# KiCad board data-center-ddr5-tester.kicad_pcb
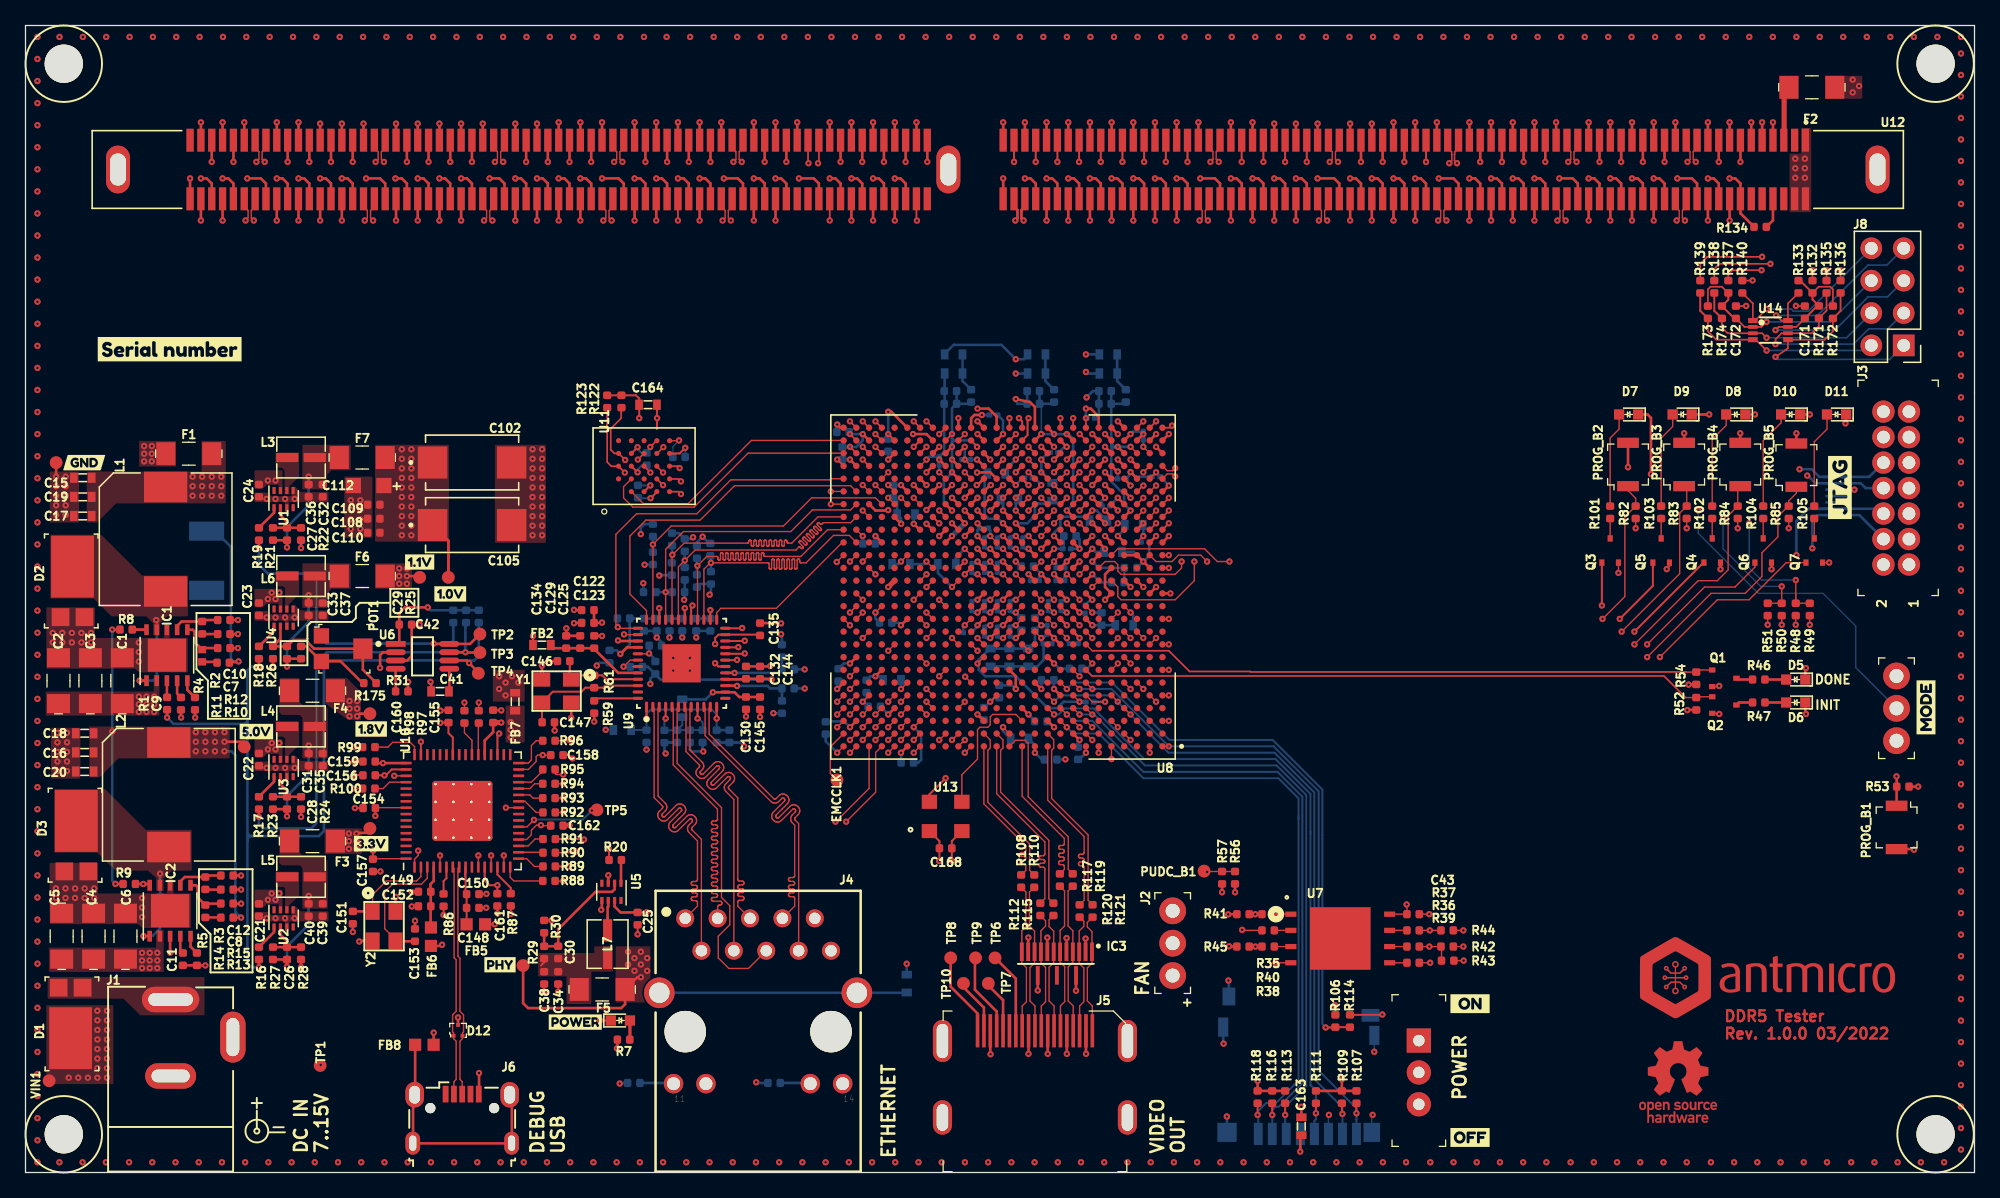
[diagram p0: board, top side]
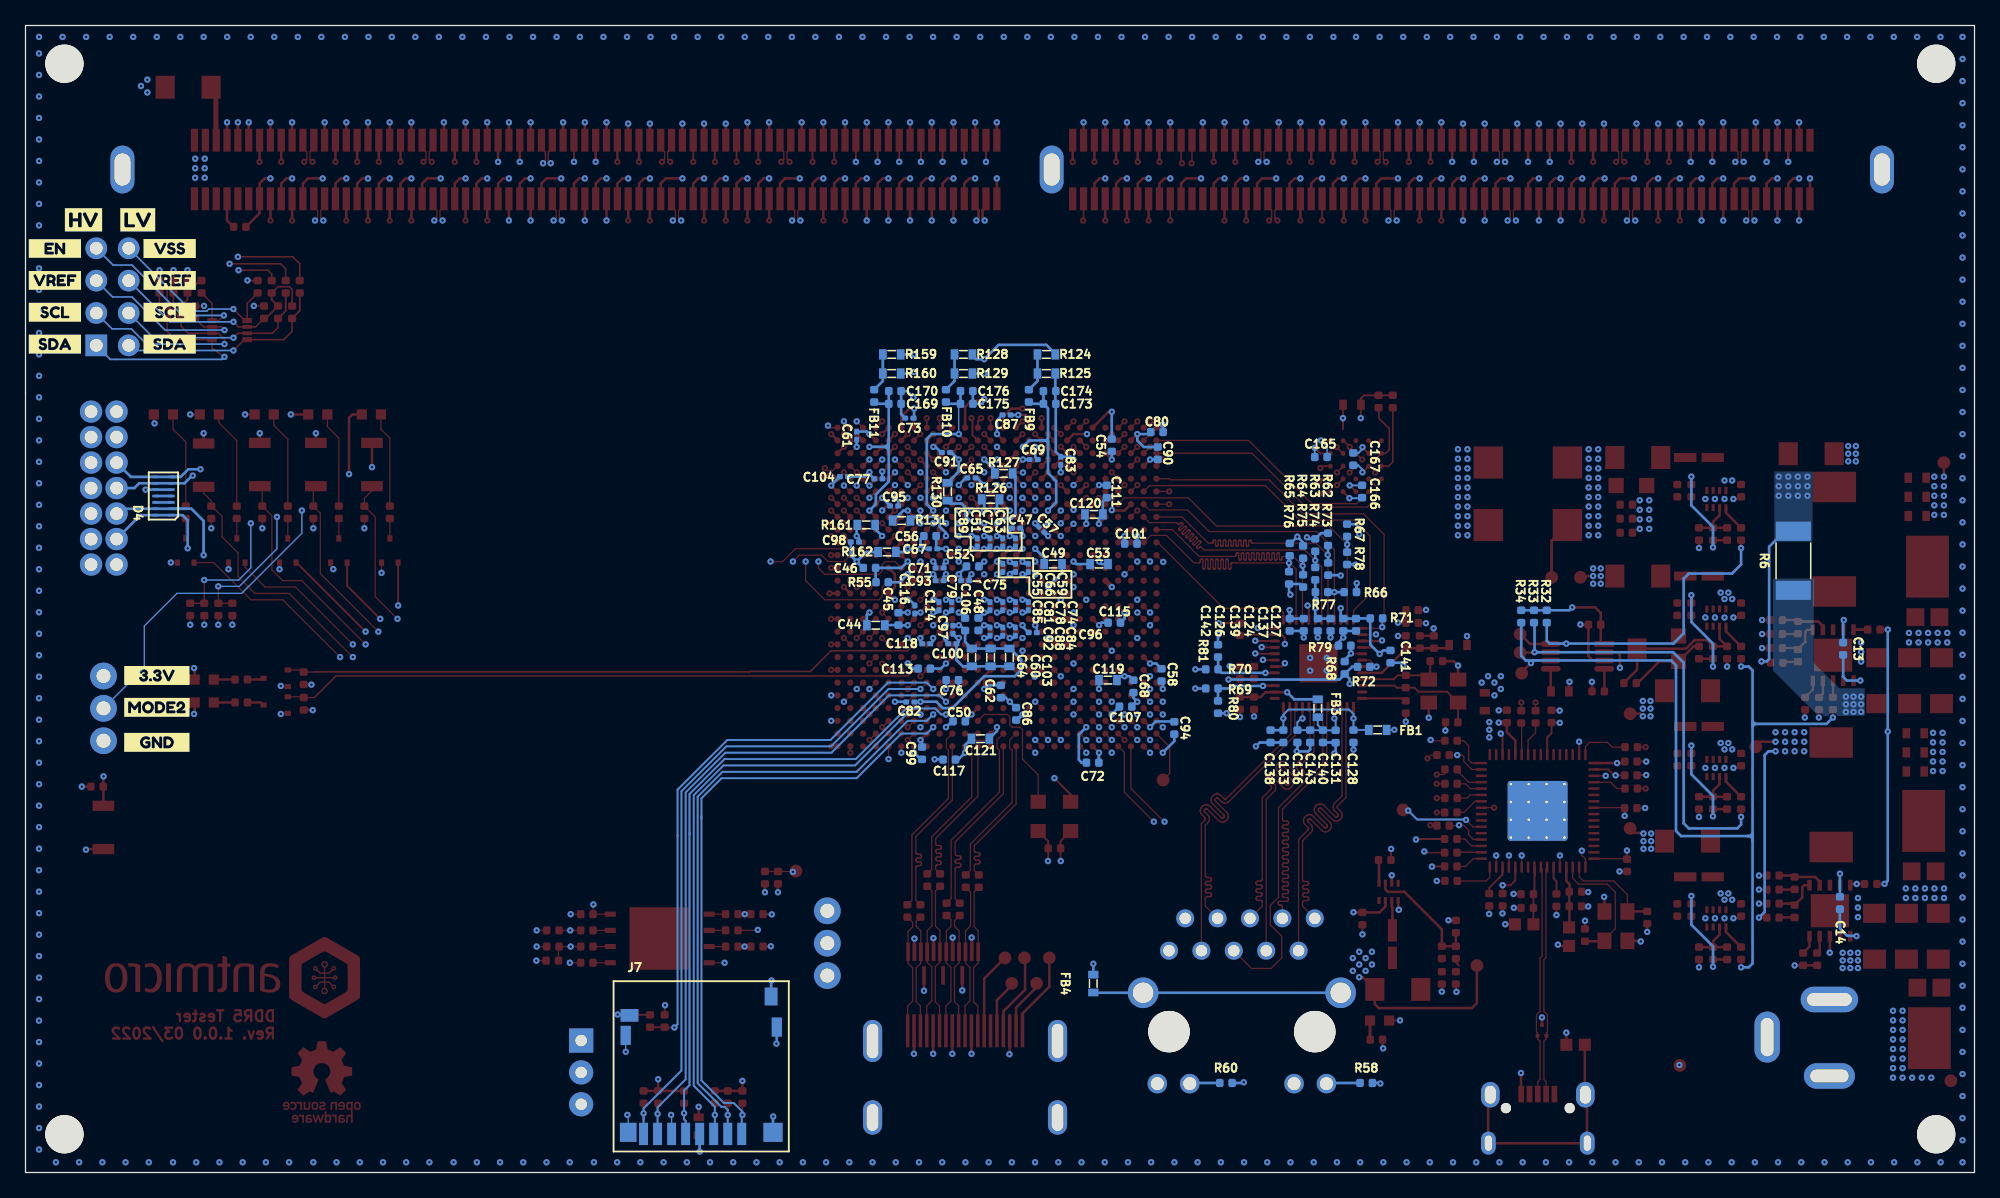
[diagram p1: board, bottom side, seen from below]

Outline 152.8 x 90 mm; copper layers: Top, In1.Cu_GND (plane), In2.Cu, In3.Cu_3V3_1V1_1V8FT (plane), In4.Cu_GND (plane), In5.Cu, In6.Cu_GND (plane), In7.Cu, In8.Cu_VIN_5VINT_1V8_1V0 (plane), In9.Cu, In10.Cu_GND_1V2 (plane), Bottom. Coordinates in mm from the lower left corner of the outline.
Outline path: 0,90 152.8,90 152.8,0 0,0 0,90

## Placement (name value [footprint] x y rotation side)
1V0  TP_SMD1MM  [Testpoint_smd_1mm]  33.2 46.7 90 top
1V1  TP_SMD1MM  [Testpoint_smd_1mm]  30.95 46.7 90 top
1V8  TP_SMD1MM  [Testpoint_smd_1mm]  27.05 36 90 top
3V3  TP_SMD1MM  [Testpoint_smd_1mm]  27 26.95 0 top
5V0  TP_SMD1MM  [Testpoint_smd_1mm]  17.2 33.4 90 top
C1  C_47u_16V_1206  [1206-cap]  7.59 38.59 90 top
C2  C_47u_16V_1206  [1206-cap]  2.59 38.59 90 top
C3  C_47u_16V_1206  [1206-cap]  5.09 38.59 90 top
C4  C_47u_16V_1206  [1206-cap]  5.34 18.54 90 top
C5  C_47u_16V_1206  [1206-cap]  2.84 18.54 90 top
C6  C_47u_16V_1206  [1206-cap]  7.84 18.54 90 top
C7  C_4n7_0402  [0402-cap]  15.55 42.25 0 top
C8  C_4n7_0402  [0402-cap]  15.8 22.2 0 top
C9  C_10n_0402  [0402-cap]  12.19 36.79 270 top
C10  C_47p_0402  [0402-cap]  15.55 43.35 0 top
C11  C_10n_0402  [0402-cap]  12.34 16.74 270 top
C12  C_47p_0402  [0402-cap]  15.8 23.3 0 top
C13  C_100n_0402_6V3  [0402-cap]  10.3 41.1 270 bottom
C14  C_100n_0402_6V3  [0402-cap]  10.55 21.15 270 bottom
C15  C_47u_0603  [0603-cap]  4.49 54.51 180 top
C16  C_47u_0603  [0603-cap]  4.64 32.96 180 top
C17  C_47u_0603  [0603-cap]  4.49 51.51 180 top
C18  C_47u_0603  [0603-cap]  4.64 34.46 180 top
C19  C_47u_0603  [0603-cap]  4.49 53.01 180 top
C20  C_47u_0603  [0603-cap]  4.64 31.46 180 top
C21  C_10u_0402  [0402-cap]  18.3 20.6 270 top
C22  C_10u_0402  [0402-cap]  18.3 32.4 270 top
C23  C_10u_0402  [0402-cap]  18.3 44.2 270 top
C24  C_10u_0402  [0402-cap]  18.3 53.5 270 top
C25  C_10u_0402  [0402-cap]  47.99 19.92 270 top
C26  C_120p_0402  [0402-res]  20.5 17.2 90 top
C27  C_120p_0402  [0402-res]  20.5 50.1 90 top
C28  C_120p_0402  [0402-res]  20.5 29 90 top
C29  C_120p_0402  [0402-res]  20.5 40.8 90 top
C30  C_120p_0402  [0402-res]  41.76 17.27 90 top
C31  C_10u_0402  [0402-cap]  22.2 32.4 270 top
C32  C_10u_0402  [0402-cap]  23.3 53.5 270 top
C33  C_10u_0402  [0402-cap]  22.2 44.2 270 top
C34  C_10u_0402  [0402-cap]  41.76 15.27 270 top
C35  C_10u_0402  [0402-cap]  23.3 32.4 270 top
C36  C_10u_0402  [0402-cap]  22.2 53.5 270 top
C37  C_10u_0402  [0402-cap]  23.3 44.2 270 top
C38  C_10u_0402  [0402-cap]  40.66 15.27 270 top
C39  C_10u_0402  [0402-cap]  23.3 20.6 270 top
C40  C_10u_0402  [0402-cap]  22.2 20.6 270 top
C41  C_10n_0603  [0603-cap]  32.5 37.75 0 top
C42  C_100n_0402_6V3  [0402-cap]  29.79 42.99 0 top
C43  C_100n_0402_6V3  [0402-cap]  108.79 20.27 0 top
C44  C_47u_0603  [0603-cap]  86.14 42.94 0 bottom
C45  C_470n_0402  [0402-cap]  84.36 43.44 90 bottom
C46  C_470n_0402  [0402-cap]  86.64 47.44 0 bottom
C47  C_100n_0201  [0201-res]  75.14 50.56 0 bottom
C48  C_4u7_0402  [0402-cap]  78.09 43.02 270 bottom
C49  C_47u_0603  [0603-cap]  72.24 47.74 180 bottom
C50  C_4u7_0402  [0402-cap]  79.6 35.4 0 bottom
C51  C_100n_0201  [0201-res]  77.19 49.44 90 bottom
C52  C_4u7_0402  [0402-cap]  78.54 47.56 180 bottom
C53  C_47u_0603  [0603-cap]  68.64 47.74 180 bottom
C54  C_4u7_0402  [0402-cap]  67.64 57.06 90 bottom
C55  C_100n_0201  [0201-res]  75.19 47.44 90 bottom
C56  C_4u7_0402  [0402-cap]  81.89 49.94 0 bottom
C57  C_100n_0201  [0201-res]  73.15 50.45 225 bottom
C58  C_4u7_0402  [0402-cap]  63.74 39.04 90 bottom
C59  C_100n_0201  [0201-res]  74.19 47.44 270 bottom
C60  C_47u_0603  [0603-cap]  77.14 40.41 270 bottom
C61  C_100n_0201  [0201-res]  87.64 57.81 90 bottom
C62  C_4u7_0402  [0402-cap]  76.34 37.74 270 bottom
C63  C_100n_0201  [0201-res]  75.19 49.44 90 bottom
C64  C_47u_0603  [0603-cap]  78.61 40.41 270 bottom
C65  C_100n_0201  [0201-res]  78.64 54.5 180 bottom
C66  C_100n_0201  [0201-res]  76.19 47.44 270 bottom
C67  C_100n_0201  [0201-res]  81.64 48.94 0 bottom
C68  C_4u7_0402  [0402-cap]  65.94 38.14 270 bottom
C69  C_100n_0201  [0201-res]  73.76 55.94 180 bottom
C70  C_100n_0201  [0201-res]  76.19 49.44 270 bottom
C71  C_100n_0201  [0201-res]  81.14 47.44 180 bottom
C72  C_4u7_0402  [0402-cap]  69.14 32.16 0 bottom
C73  C_100n_0201  [0201-res]  83.51 59.19 0 bottom
C74  C_100n_0201  [0201-res]  74.19 44.44 270 bottom
C75  C_100n_0201  [0201-res]  79.14 46.44 180 bottom
C76  C_4u7_0402  [0402-cap]  80.14 38.64 180 bottom
C77  C_100n_0201  [0201-res]  85.94 54.43 0 bottom
C78  C_100n_0201  [0201-res]  75.19 44.44 90 bottom
C79  C_100n_0201  [0201-res]  80.19 44.44 90 bottom
C80  C_4u7_0402  [0402-cap]  64.1 58.1 0 bottom
C81  C_100n_0201  [0201-res]  76.19 44.44 270 bottom
C82  C_100n_0201  [0201-res]  83.44 36.91 0 bottom
C83  C_100n_0201  [0201-res]  71.64 55.84 90 bottom
C84  C_100n_0201  [0201-res]  75.2 42.44 90 bottom
C85  C_100n_0201  [0201-res]  77.19 44.44 90 bottom
C86  C_4u7_0402  [0402-cap]  75.14 35.99 90 bottom
C87  C_100n_0201  [0201-res]  75.89 59.44 0 bottom
C88  C_100n_0201  [0201-res]  76.19 42.44 270 bottom
C89  C_100n_0201  [0201-res]  78.19 49.44 270 bottom
C90  C_4u7_0402  [0402-cap]  64.04 56.44 90 bottom
C91  C_100n_0201  [0201-res]  80.64 56.5 180 bottom
C92  C_100n_0201  [0201-res]  77.19 42.44 90 bottom
C93  C_100n_0201  [0201-res]  81.14 46.44 180 bottom
C94  C_4u7_0402  [0402-cap]  62.74 34.88 270 bottom
C95  C_100n_0201  [0201-res]  84.7 52.3 180 bottom
C96  C_100n_0201  [0201-res]  73.83 42.36 180 bottom
C97  C_100n_0201  [0201-res]  80.09 42.59 270 bottom
C98  C_100n_0201  [0201-res]  87.78 49.47 0 bottom
C99  C_4u7_0402  [0402-cap]  82.52 32.9 270 bottom
C100  C_100n_0201  [0201-res]  80.14 41.49 180 bottom
C101  C_4u7_0402  [0402-cap]  66.14 49.34 180 bottom
C102  C_330u_KEMET_D  [KEMET_D]  35.01 50.8 0 top
C103  C_47u_0603  [0603-cap]  75.66 40.41 270 bottom
C104  C_100n_0201  [0201-res]  88.64 54.6 180 bottom
C105  C_330u_KEMET_D  [KEMET_D]  35.01 55.71 0 top
C106  C_4u7_0402  [0402-cap]  79.14 43.01 90 bottom
C107  C_4u7_0402  [0402-cap]  66.55 36.56 180 bottom
C108  C_4u7_0402  [0402-cap]  27.3 51.3 180 top
C109  C_4u7_0402  [0402-cap]  27.3 52.4 180 top
C110  C_4u7_0402  [0402-cap]  27.3 50.2 180 top
C111  C_4u7_0402  [0402-cap]  68.04 53.44 270 bottom
C112  C_100u_KEMET_A  [KEMET_A]  28.1 53.9 180 top
C113  C_4u7_0402  [0402-cap]  82.34 39.54 0 bottom
C114  C_100n_0201  [0201-res]  81.19 44.44 270 bottom
C115  C_4u7_0402  [0402-cap]  67.44 43.14 180 bottom
C116  C_100n_0201  [0201-res]  83.08 44.18 90 bottom
C117  C_4u7_0402  [0402-cap]  80.38 32.4 0 bottom
C118  C_100n_0201  [0201-res]  82.19 41.49 180 bottom
C119  C_47u_0603  [0603-cap]  67.94 38.64 0 bottom
C120  C_47u_0603  [0603-cap]  69.04 51.64 180 bottom
C121  C_47u_0603  [0603-cap]  77.94 34.04 180 bottom
C122  C_4u7_0402  [0402-cap]  44.09 44.13 180 top
C123  C_470n_0402  [0402-cap]  44.09 43.13 180 top
C124  C_470n_0402  [0402-cap]  50.49 42.98 270 bottom
C125  C_4u7_0402  [0402-cap]  44.59 41.63 90 top
C126  C_470n_0402  [0402-cap]  52.59 42.98 270 bottom
C127  C_4u7_0402  [0402-cap]  48.49 42.98 270 bottom
C128  C_4u7_0402  [0402-cap]  48.69 34.23 270 bottom
C129  C_100n_0402  [0402-cap]  43.49 41.63 90 top
C130  C_10n_0402  [0402-cap]  56.49 36.83 270 top
C131  C_4u7_0402  [0402-cap]  50.09 34.21 270 bottom
C132  C_470n_0402  [0402-cap]  56.49 39.23 90 top
C133  C_10n_0402  [0402-cap]  54.19 34.23 270 bottom
C134  C_10n_0402  [0402-cap]  42.39 41.63 90 top
C135  C_10n_0402  [0402-cap]  57.59 42.63 90 top
C136  C_470n_0402  [0402-cap]  53.09 34.23 270 bottom
C137  C_10n_0402  [0402-cap]  49.49 42.98 270 bottom
C138  C_10n_0402  [0402-cap]  55.19 34.23 270 bottom
C139  C_10n_0402  [0402-cap]  51.49 42.98 270 bottom
C140  C_10n_0402  [0402-cap]  51.09 34.23 270 bottom
C141  C_10n_0402  [0402-cap]  45.79 40.48 270 bottom
C142  C_10n_0402  [0402-cap]  53.69 42.98 270 bottom
C143  C_10n_0402  [0402-cap]  52.09 34.23 270 bottom
C144  C_10n_0402  [0402-cap]  57.59 39.23 90 top
C145  C_10n_0402  [0402-cap]  57.59 36.83 270 top
C146  C_22p_0402  [0402-cap]  42.19 40.13 180 top
C147  C_22p_0402  [0402-cap]  40.99 35.33 0 top
C148  C_100n_0402_6V3  [0402-cap]  35.07 20.76 0 top
C149  C_100n_0402_6V3  [0402-cap]  31.29 22.03 180 top
C150  C_4u7_0402  [0402-cap]  35.07 21.84 0 top
C151  C_18p_0402  [0402-cap]  25.66 20 270 top
C152  C_4u7_0402  [0402-cap]  31.29 20.89 180 top
C153  C_18p_0402  [0402-cap]  30.54 18.63 90 top
C154  C_100n_0402_6V3  [0402-cap]  26.95 28.59 180 top
C155  C_4u7_0402  [0402-cap]  36.66 35.79 90 top
C156  C_100n_0402_6V3  [0402-cap]  26.94 31.17 180 top
C157  C_100n_0402_6V3  [0402-cap]  27.24 24.1 270 top
C158  C_100n_0402_6V3  [0402-cap]  41.66 32.75 0 top
C159  C_100n_0402_6V3  [0402-cap]  26.94 32.25 180 top
C160  C_100n_0402_6V3  [0402-cap]  33.16 35.79 90 top
C161  C_100n_0402_6V3  [0402-cap]  36.99 21.4 270 top
C162  C_100n_0402_6V3  [0402-cap]  41.66 27.22 0 top
C163  C_1u_0603  [0603-cap]  100.03 3.63 90 top
C164  C_47u_0603  [0603-cap]  48.8 60.24 0 top
C165  C_100n_0402_6V3  [0402-cap]  51.24 56.14 180 bottom
C166  C_100n_0402_6V3  [0402-cap]  48.02 53.44 90 bottom
C167  C_100n_0402_6V3  [0402-cap]  48.7 55.98 270 bottom
C168  C_100n_0402_6V3  [0402-cap]  72.14 25.44 0 top
C169  C_100n_0402_6V3  [0402-cap]  84.64 60.31 180 bottom
C170  C_100n_0402_6V3  [0402-cap]  84.64 61.31 180 bottom
C171  C_100n_0402_6V3  [0402-cap]  139.5 67.5 90 top
C172  C_100n_0402_6V3  [0402-cap]  134.1 67.5 90 top
C173  C_100n_0402_6V3  [0402-cap]  72.51 60.31 180 bottom
C174  C_100n_0402_6V3  [0402-cap]  72.51 61.31 180 bottom
C175  C_100n_0402_6V3  [0402-cap]  79.01 60.31 180 bottom
C176  C_100n_0402_6V3  [0402-cap]  79.01 61.31 180 bottom
D1  -  [PDS760-13]  3.44 11.04 90 top
D2  -  [PDS760-13]  3.79 47.04 270 top
D3  -  [PDS760-13]  4.09 27.09 270 top
D4  -  [TPD6E05U06]  141.99 53.08 90 bottom
D5  KP-1608CGCK  [LED_0603]  138.79 38.68 180 top
D6  KP-1608CGCK  [LED_0603]  138.79 36.88 180 top
D7  KP-1608CGCK  [LED_0603]  125.69 59.48 180 top
D8  KP-1608CGCK  [LED_0603]  134.09 59.48 180 top
D9  KP-1608CGCK  [LED_0603]  129.89 59.48 180 top
D10  KP-1608CGCK  [LED_0603]  138.39 59.48 180 top
D11  KP-1608CGCK  [LED_0603]  141.99 59.48 180 top
D12  TPD2E009  [SOT-3]  33.91 11.15 0 top
EMCCLK1  TP_SMD1MM  [Testpoint_smd_1mm]  63.67 30.8 90 top
F1  1206L450SLWR  [1206-res]  12.8 56.4 180 top
F2  1206L450SLWR  [1206-res]  140.05 85.15 180 top
F3  1206L450SLWR  [1206-res]  22.5 26 0 top
F4  1206L450SLWR  [1206-res]  22.5 37.8 0 top
F5  1206L450SLWR  [1206-res]  45.21 14.36 0 top
F6  1206L450SLWR  [1206-res]  26.4 46.8 0 top
F7  1206L450SLWR  [1206-res]  26.4 56.1 0 top
FB1  BLM18PG121SN1D  [0603-res]  46.79 34.73 0 bottom
FB2  BLM18PG121SN1D  [0603-res]  40.49 41.39 180 top
FB3  BLM18PG121SN1D  [0603-res]  51.49 36.43 90 bottom
FB4  BLM18PG121SN1D  [0603-res]  69.09 14.83 90 bottom
FB5  BLM18AG601SN1D  [0603]  35.31 19.47 180 top
FB6  BLM18AG601SN1D  [0603]  31.79 18.5 90 top
FB7  BLM18PG121SN1D  [0603-res]  38.39 36.94 90 top
FB8  BLM18AG601SN1D  [0603]  31.27 10.02 180 top
FB9  BLM15AG601SN1D  [0402-res]  74.14 60.94 270 bottom
FB10  BLM15AG601SN1D  [0402-res]  80.64 60.94 270 bottom
FB11  BLM15AG601SN1D  [0402-res]  86.26 60.94 270 bottom
GND1  TP_SMD1MM  [Testpoint_smd_1mm]  2.45 55.7 90 top
IC1  TPS54561  [WSON-10_4x4]  11.09 40.59 90 top
IC2  TPS54561  [WSON-10_4x4]  11.34 20.54 90 top
IC3  TPD8S009DSMR  [R-PDSO-N15]  80.86 15.57 180 top
J1  -  [DC_SOCKET]  11.38 -0.12 0 top
J2  61300311121  [PinHeader_1x3_P2.54_Drill1.1mm]  89.94 15.45 90 top
J3  0878311420  [PinHeader_2x7_P2mm_Drill1mm]  147.66 47.7 270 top
J4  WE-RJ45_7499111121A  [7499111121A]  57.44 11.05 180 top
J5  685119134923  [HDMI_A_Female_685119134923]  79.14 9.82 180 top
J6  WE_629105150521  [USB_Micro_B_Female_629105150521]  34.24 4.25 0 top
J7  1140084168  [MicroSD_1140084168]  99.77 8.33 180 bottom
J8  PinHeader_2x4  [PinHeader_2x04_P2.54mm_Vertical]  147.25 64.9 180 top
kibuzzard-623ADFFE  G***  [label]  37.2 16.3 0 top
kibuzzard-623AE04F  G***  [label]  18.1 34.6 0 top
kibuzzard-623AE05E  G***  [label]  27.1 34.8 0 top
kibuzzard-623AE06F  G***  [label]  30.9 47.9 0 top
kibuzzard-623AE029  G***  [label]  43.1 11.8 0 top
kibuzzard-623AE55E  G***  [label]  11.3 64.6 0 top
kibuzzard-623AE057  G***  [label]  27.1 25.8 0 top
kibuzzard-623AE077  G***  [label]  33.3 45.4 0 top
kibuzzard-623AE082  G***  [label]  4.6 55.7 0 top
kibuzzard-624C31E1  G***  [label]  148.25 74.75 180 bottom
kibuzzard-624C31EA  G***  [label]  144 74.75 180 bottom
kibuzzard-624C32EC  G***  [label]  142.5 36.5 180 bottom
kibuzzard-624C32F3  G***  [label]  142.5 33.75 180 bottom
kibuzzard-624C32FB  G***  [label]  142.5 39 180 bottom
kibuzzard-624C34D8  G***  [label]  149 36.5 90 top
kibuzzard-624C313D  G***  [label]  142.25 53.75 90 top
kibuzzard-624C336C  G***  [label]  141.5 70 180 bottom
kibuzzard-624C336C#2  G***  [label]  150.5 70 180 bottom
kibuzzard-624C337B  G***  [label]  141.5 72.5 180 bottom
kibuzzard-624C338A  G***  [label]  141.5 65 180 bottom
kibuzzard-624C338A#2  G***  [label]  150.5 65 180 bottom
kibuzzard-624C3375  G***  [label]  150.5 72.5 180 bottom
kibuzzard-624C3383  G***  [label]  141.5 67.5 180 bottom
kibuzzard-624C3383#2  G***  [label]  150.5 67.5 180 bottom
kibuzzard-624C3532  G***  [label]  113.25 2.75 0 top
kibuzzard-624C3539  G***  [label]  113.25 13.25 0 top
L1  -  [WE_7447798720]  10.99 49.69 90 top
L2  -  [WE_7447798720]  11.24 29.64 90 top
L3  IHLP1212AEERR47M11  [IHLP-1212AE]  21.6 56.1 0 top
L4  IHLP1212AEERR47M11  [IHLP-1212AE]  21.6 35 0 top
L5  IHLP1212AEERR47M11  [IHLP-1212AE]  21.6 23.2 0 top
L6  IHLP1212AEERR47M11  [IHLP-1212AE]  21.6 46.8 0 top
L7  IHLP1212AEERR47M11  [IHLP-1212AE]  45.64 17.92 270 top
MH1  -  [mounting-hole-3mm-NPTH]  3 87 0 top
MH2  -  [mounting-hole-3mm-NPTH]  149.75 87 0 top
MH3  -  [mounting-hole-3mm-NPTH]  3 3 0 top
MH4  -  [mounting-hole-3mm-NPTH]  149.75 3 0 top
MODE1  61300311121  [PinHeader_1x3_P2.54_Drill1.1mm]  146.69 33.88 90 top
N1  antmicro_logo  [antmicro-logo_scaled_20mm]  136.57 15.1 0 top
N2  oshw_logo  [oshw-logo]  129.57 7.1 0 top
PHY1  TP_SMD1MM  [Testpoint_smd_1mm]  39.06 16.24 90 top
POT1  TC33X-2-203E  [Trimpot_3.8mmx3.6mm_TC33X-2-103E]  25 41.1 270 top
PROG_B1  B3U-1000P  [Switch_Tactile_SMD_B3U-1000P]  146.69 27.08 270 top
PROG_B2  B3U-1000P  [Switch_Tactile_SMD_B3U-1000P]  125.64 55.55 90 top
PROG_B3  B3U-1000P  [Switch_Tactile_SMD_B3U-1000P]  130.04 55.55 90 top
PROG_B4  B3U-1000P  [Switch_Tactile_SMD_B3U-1000P]  134.44 55.55 90 top
PROG_B5  B3U-1000P  [Switch_Tactile_SMD_B3U-1000P]  138.84 55.5 90 top
PUDC_B1  TP_SMD1MM  [Testpoint_smd_1mm]  92.4 23.6 0 top
PWR1  KP-1608CGCK  [LED_0603]  46.64 11.93 0 top
Q1  BSS138APW  [SC70-3]  133.19 38.78 0 top
Q2  BSS138APW  [SC70-3]  133.19 36.68 0 top
Q3  BSS138APW  [SC70-3]  124.24 48.8 90 top
Q4  BSS138APW  [SC70-3]  132.24 48.8 90 top
Q5  BSS138APW  [SC70-3]  128.24 48.8 90 top
Q6  BSS138APW  [SC70-3]  136.24 48.8 90 top
Q7  BSS138APW  [SC70-3]  140.24 48.8 90 top
R1  R_0R_0402  [0402-res]  11.1 36.8 270 top
R2  R_16k9_0402  [0402-res]  13.85 42.75 270 top
R3  R_16k9_0402  [0402-res]  14.1 22.7 270 top
R4  R_243k_0402  [0402-res]  13.29 36.79 90 top
R5  R_243k_0402  [0402-res]  13.44 16.74 90 top
R6  R_0R_2010  [2010-res]  14.2 48 90 bottom
R7  R_330R_0402  [0402-res]  46.89 10.43 180 top
R8  R_100k_0402  [0402-res]  7.89 42.6 0 top
R9  R_100k_0402  [0402-res]  8.14 22.64 0 top
R10  R_43k_0402  [0402-res]  15.5 40 180 top
R11  R_100k_1%_0402  [0402#2]  13.85 40.55 90 top
R12  R_10k2_0402  [0402-res]  15.55 41.15 0 top
R13  R_49R9_0402  [0402-res]  15.8 20 180 top
R14  R_53k6_0402  [0402-res]  14.1 20.5 90 top
R15  R_10k2_0402  [0402-res]  15.8 21.1 0 top
R16  R_0R_0402  [0402-res]  18.3 17.2 270 top
R17  R_0R_0402  [0402-res]  18.3 29 270 top
R18  R_0R_0402  [0402-res]  18.3 40.8 270 top
R19  R_0R_0402  [0402-res]  18.3 50.1 270 top
R20  R_0R_0402  [0402-res]  46.24 24.52 180 top
R21  R_66k5_0402  [0402-res]  19.4 50.1 90 top
R22  R_100k_1%_0402  [0402]  21.6 50.1 270 top
R23  R_200k_0402  [0402-res]  19.4 29 90 top
R24  R_100k_1%_0402  [0402]  21.6 29 270 top
R25  R_82k5_1%_0402  [0402-res]  21.6 40.8 90 top
R26  R_100k_0402  [0402-res]  19.4 40.8 270 top
R27  R_453k_0402  [0402-res]  19.4 17.2 90 top
R28  R_100k_1%_0402  [0402]  21.6 17.2 270 top
R29  R_100k_0402  [0402-res]  40.66 17.26 90 top
R30  R_100k_0402  [0402-res]  40.66 19.3 90 top
R31  R_0R_0402  [0402-res]  29.5 37.75 0 top
R32  R_10k_0402  [0402-res]  33.54 43.63 270 bottom
R33  R_10k_0402  [0402-res]  34.54 43.63 270 bottom
R34  R_10k_0402  [0402-res]  35.54 43.63 270 bottom
R35  R_0R_0402  [0402-res]  97.42 20.27 180 top
R36  R_0R_0402  [0402-res]  108.79 17.73 0 top
R37  R_0R_0402  [0402-res]  108.79 19 0 top
R38  R_0R_0402  [0402-res]  97.42 17.73 180 top
R39  R_0R_0402  [0402-res]  108.79 16.46 0 top
R40  R_0R_0402  [0402-res]  97.42 19 180 top
R41  R_2k2_0402  [0402-res]  95.45 20.27 180 top
R42  R_100R_0402  [0402-res]  111.46 17.73 180 top
R43  R_100R_0402  [0402-res]  111.5 16.62 0 top
R44  R_4k7_0402  [0402-res]  111.46 19 180 top
R45  R_4k7_0402  [0402-res]  95.45 17.73 0 top
R46  R_330R_0402  [0402-res]  135.89 38.68 180 top
R47  R_330R_0402  [0402-res]  135.89 36.88 180 top
R48  R_0R_0402  [0402-res]  138.79 44.18 270 top
R49  R_0R_0402  [0402-res]  139.89 44.18 270 top
R50  R_0R_0402  [0402-res]  137.69 44.18 270 top
R51  R_0R_0402  [0402-res]  136.59 44.18 270 top
R52  R_4k7_0402  [0402-res]  130.99 36.78 90 top
R53  R_4k7_0402  [0402-res]  147.19 30.28 180 top
R54  R_330R_0402  [0402-res]  130.99 38.78 90 top
R55  R_0R_0402  [0402-res]  85.64 46.31 180 bottom
R56  R_100R_0402  [0402-res]  94.82 23.13 90 top
R57  R_100R_0402  [0402-res]  93.81 23.13 270 top
R58  R_220R_0402  [0402-res]  47.69 7.03 180 bottom
R59  R_12k1_0402  [0402-res]  44.59 36.53 90 top
R60  R_220R_0402  [0402-res]  58.69 7.03 180 bottom
R61  R_1M8_0402  [0402-res]  44.59 38.53 270 top
R62  R_10k2_0402  [0402-res]  50.69 49.68 90 bottom
R63  R_10k2_0402  [0402-res]  51.69 49.23 90 bottom
R64  R_10k2_0402  [0402-res]  52.64 48.68 90 bottom
R65  R_10k2_0402  [0402-res]  53.69 48.88 90 bottom
R66  R_10k2_0402  [0402-res]  48.94 45.54 180 bottom
R67  R_10k2_0402  [0402-res]  49.19 50.39 90 bottom
R68  R_10k2_0402  [0402-res]  49.38 39.61 270 bottom
R69  R_10k2_0402  [0402-res]  59.79 37.98 0 bottom
R70  R_10k2_0402  [0402-res]  59.79 39.48 0 bottom
R71  R_1k_0402  [0402-res]  46.89 43.48 0 bottom
R72  R_10k2_0402  [0402-res]  47.89 39.68 0 bottom
R73  R_2k2_0402  [0402-res]  50.67 47.35 270 bottom
R74  R_2k2_0402  [0402-res]  51.69 46.99 270 bottom
R75  R_2k2_0402  [0402-res]  52.64 46.42 270 bottom
R76  R_2k2_0402  [0402-res]  53.74 46.66 270 bottom
R77  R_2k2_0402  [0402-res]  51.19 45.54 0 bottom
R78  R_2k2_0402  [0402-res]  49.19 48.19 270 bottom
R79  R_2k2_0402  [0402-res]  49.38 41.34 0 bottom
R80  R_2k2_0402  [0402-res]  59.31 36.52 270 bottom
R81  R_2k2_0402  [0402-res]  59.31 40.93 90 bottom
R82  R_4k7_0402  [0402-res]  126.24 51.8 90 top
R83  R_4k7_0402  [0402-res]  130.24 51.8 90 top
R84  R_4k7_0402  [0402-res]  134.24 51.8 90 top
R85  R_4k7_0402  [0402-res]  138.24 51.8 90 top
R86  R_12k_0402  [0402-res]  32.78 21.37 90 top
R87  R_10k_0402  [0402-res]  38.05 21.4 90 top
R88  R_22R_0402  [0402-res]  41.04 22.88 0 top
R89  R_22R_0402  [0402-res]  41.06 24.02 0 top
R90  R_22R_0402  [0402-res]  41.06 25.09 0 top
R91  R_22R_0402  [0402-res]  41.06 26.17 0 top
R92  R_22R_0402  [0402-res]  41.05 28.25 0 top
R93  R_22R_0402  [0402-res]  41.04 29.38 0 top
R94  R_22R_0402  [0402-res]  41.04 30.5 0 top
R95  R_22R_0402  [0402-res]  41.04 31.63 0 top
R96  R_22R_0402  [0402-res]  41.04 33.88 0 top
R97  R_22R_0402  [0402-res]  35.54 35.75 90 top
R98  R_22R_0402  [0402-res]  34.41 35.75 90 top
R99  R_22R_0402  [0402-res]  26.91 33.38 180 top
R100  R_22R_0402  [0402-res]  26.91 30.13 180 top
R101  R_330R_0402  [0402-res]  124.24 51.8 270 top